# KiCad board NoU2-panelized2.kicad_pcb (continued)
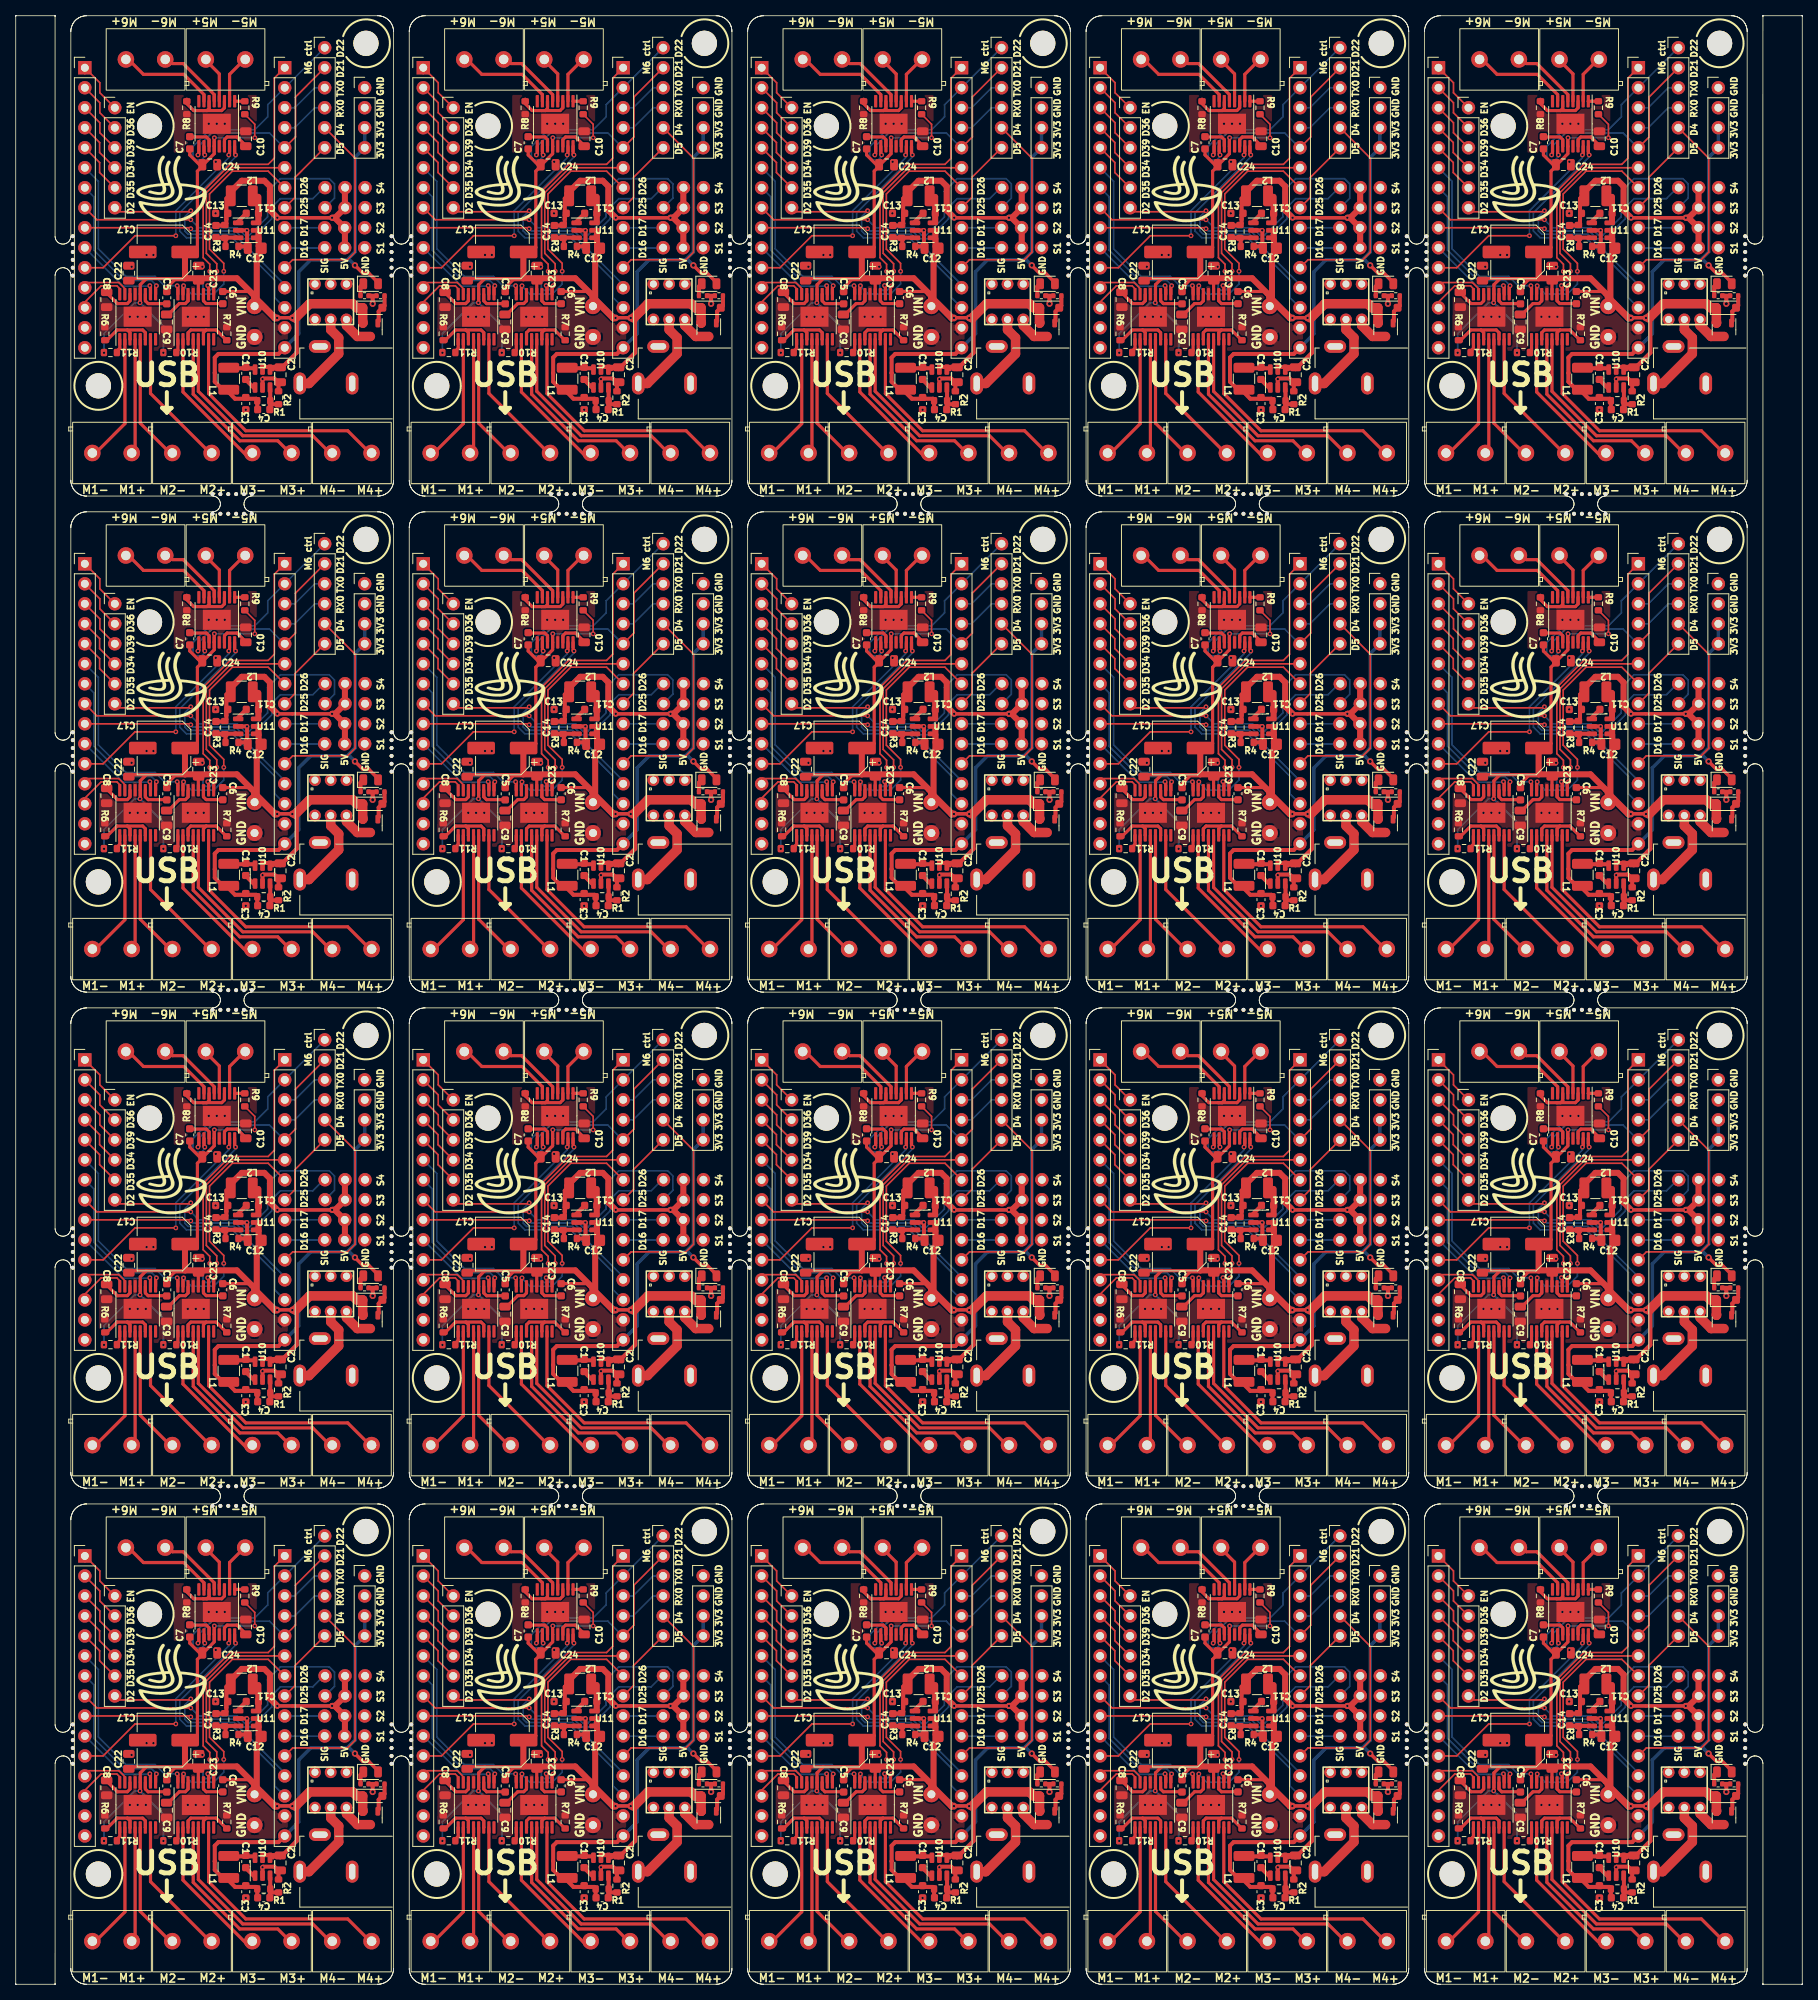
[diagram p0: board, top side]
## Routing (per net, layer and track width the routed paths; a pad name or vN(x,y) marks a point on that pad's centre or on a via; arc(x,y) is an arc through that point) (continued)
  Top w0.399: U2#7.1 199.82,113.14 R9#17.1
Board_14-Net-(U2-VCP): length 3.5
  Top w0.399: C7#15.2 194.15,108.61 196.22,108.61 196.57,108.27 U2#7.11
Board_14-Net-(U2-VINT): length 4.2
  Top w0.399: U2#7.14 198.52,108.27 198.86,108.61 200.12,108.61 201.23,107.51 C10#5.1
Board_14-Net-(U3-AISEN): length 7.8
  Top w0.399: 196.19,84.1 197.47,84.1 198.69,82.89 198.69,82.66 ; 196.19,84.1 194.24,84.1 193.9,83.75 U3#16.3 193.9,82.91 ; 196.19,84.1 195.85,83.75 U3#16.6 195.84,82.9
Board_14-Net-(U3-nSLEEP): length 1.7
  Top w0.399: U3#16.1 192.6,81.53 192.4,81.33
Board_14-Net-(U3-VCP): length 3.4
  Top w0.399: C6#19.2 198.28,87.45 196.19,87.45 195.85,87.79 U3#16.11
Board_14-Net-(U3-VINT): length 4.3
  Top w0.399: C9#17.1 191.4,86.06 192.78,87.45 193.56,87.45 193.9,87.79 U3#16.14
Board_14-Net-(U10-BS): length 1.7
  Top w0.508: 201.2,77.8 202.37,76.63 ; 201.33,77.81 201.33,77.78
Board_14-Net-(U10-FB): length 4.1
  Top w0.508: C4#7.1 204.29,75.06 ; 204.29,75.06 R1#14.2 204.34,76.59 ; 204.29,75.06 204.29,74.84 204.46,74.66 R2#8.1 ; 204.41,75.06 204.46,75.1
Board_14-Net-(U10-LX): length 3.3
  Top w0.508: 202.43,79.23 199.15,79.23
Board_14-Net-(U11-BS): length 1.7
  Top w0.508: C11#12.2 200.08,97.7 200.06,97.7
Board_14-Net-(U11-FB): length 3.7
  Top w0.508: 200.06,95.8 200.04,95.82 C14#14.1 ; R3#17.2 198.65,95.69 R4#15.1
Board_14-Net-(U11-LX): length 3.5
  Top w0.508: 202.7,100.99 202.65,101.04 ; 202.68,98.75 C11#12.1 202.7,99.04
  Top w0.762: 202.83,97.81 202.83,98.86 ; 202.83,99.06 202.83,101
Board_14-RX0: length 6.1
  Bottom w0.203: J5#19.4 207.45,109.78 209.99,112.32 J1#17.4
Board_14-SRV1: length 5.1
  Top w0.203: 206.21,94.51 J5#19.10
  Bottom w0.203: 211.28,94.51 206.21,94.51
Board_14-SRV2: length 5.1
  Bottom w0.203: J5#19.9 211.25,97.08
Board_14-SRV3: length 41.8
  Top w0.203: J2#4.8 182.3,98.09 v2(194.24,98.09)
  Bottom w0.203: v2(194.24,98.09) 195.26,97.08 200.15,97.08 201.08,96.14 201.68,96.14 204,98.46 204,101.68 205.63,103.31 211.83,103.31 212.5,102.64 212.5,100.83 211.28,99.62
Board_14-SRV4: length 34.6
  Top w0.203: J2#4.9 194.15,97.08 v2(194.24,96.95)
  Bottom w0.203: v2(194.24,96.95) 194.52,96.67 199.91,96.67 200.91,95.68 201.99,95.68 204.53,98.22 204.53,99.67 205.63,100.77 209.75,100.77 211.13,102.16 211.28,102.16
Board_14-TX0: length 6.1
  Bottom w0.203: J5#19.3 207.45,112.32 209.99,114.86 J1#17.3
Board_14-VIN: length 119.5
  Top w0.203: v2(202.37,108.51) 202.37,110.22 R9#17.2
  Top w0.25: J14#13.1 202.74,87.51 202.74,88.1
  Top w0.399: C24#20.1 195.36,105.08 194.11,106.32 C7#15.1 ; C24#20.1 195.7,104.89 195.08,104.26 195.08,94.59 194.5,94 C17#6.1 ; C24#20.1 195.82,105.08 197.22,106.48 U2#7.12 197.21,107.43 197.21,108.51 ; 192.16,90.42 191.19,89.46 C5#10.1 ; 201.01,111.4 R9#17.2 ; 193.54,90.62 188.6,90.62 187.82,89.84 187.82,87.56 187.81,87.55 ; C6#19.1 201.78,88.98 202.04,88.72 ; 195.21,90.36 195.2,90.35 U3#16.12 ; C22#18.1 186.61,90.6 ; 186.65,90.62 188.63,90.62 ; 193.49,90.47 192.32,90.47
  Top w0.432: v2(205.21,85.62) 205.25,85.65 207.11,85.65 v2(207.14,85.62)
  Top w0.508: 203.65,79.4 204.27,79.4 ; 202.86,93.72 202.86,93.95 C12#19.2 ; 202.86,95.61 202.68,95.8 ; 204.53,79.27 204.69,79.11 ; 205.6,79.11 205.77,79.28 205.79,79.28 207.7,81.2 207.7,85.46 207.54,85.62 ; 205.52,79.41 204.61,79.41
  Top w0.762: C17#6.1 193.5,93.97 193.5,90.66 ; 202.85,95.7 202.85,96.65 ; 193.57,90.66 200.1,90.66 202.34,88.41 J14#13.1 202.62,87.4 202.62,93.48 202.86,93.72 202.86,95.61
  Top w0.864: v2(205.21,85.62) 204.93,85.62 202.34,88.21 202.34,88.41 ; 207.54,85.62 v2(207.14,85.62)
  Top w1.2: 216.11,85.12 Q1#11.2 216.09,85 D3#15.1 215.32,86.92 214.81,87.42 209.34,87.42 207.54,85.62
  Bottom w0.203: 197.21,108.51 v2(202.37,108.51) ; v2(183.22,81.2) 183.22,83.64 187.13,87.55 v2(187.79,87.55)
  Bottom w0.25: v2(187.79,87.55) 190.76,84.58 v2(190.76,81.2)
  Bottom w0.432: v2(205.21,85.62) 205.25,85.65 207.11,85.65 v2(207.14,85.62)
  vias: v2(197.24,108.51)
Board_15-3V3: length 60.9
  Top w0.432: v1(43.1,29.3) 44.1,28.3 44.85,28.3 46.04,27.11 D1#17.2
  Top w0.508: 27.07,13.37 26.94,13.5 26.94,13.29 27.87,12.36 30.56,12.36 30.81,12.11 ; 30.81,11.04 30.86,10.99 ; 27.2,13.25 26.56,13.25 25.29,14.52 25.29,15.63 25.29,15.63 25.29,17.59 25.75,18.05 33.39,18.05 J5#13.15 ; R1#6.1 30.69,11.04
  Bottom w0.432: J3#17.3 J3#17.4 43.11,43.01 43.11,31.01 42.12,30.01 ; v1(43.1,29.3) 42.39,30.01 42.12,30.01 ; 42.12,30.01 37.48,30.01 35.96,28.49 35.96,20.62 J5#13.15
Board_15-5V: length 40.3
  Top w0.432: v2(40.2,35.35) v2(33.24,35.35)
  Top w0.508: C14#12.2 26.5,34.37 R3#13.1 26.76,34.63 26.76,35.14 ; 27.11,38.14 26.76,37.79 26.76,35.14 ; 26.76,35.14 26.76,35.69 26.98,35.9 26.98,36.1
  Top w0.762: 41.82,31.51 41.82,34.05 40.53,35.35 v2(40.2,35.35) 40.58,35.35 41.82,36.59 41.82,39.16 ; v2(33.24,35.35) 32.3,36.29 32.3,39.33 31.59,40.05 29.58,40.05 29.58,40.04 28.72,40.04 27.11,38.43 27.11,38.14
  Bottom w0.432: v2(33.24,35.35) v2(40.2,35.35)
Board_15-/Sheet6057E9B8/D34: length 6.7
  Top w0.203: J4#14.4 10.66,43.63 10.66,44.9 J2#8.4
Board_15-/Sheet6057E9B8/D35: length 6.7
  Top w0.203: J4#14.5 10.66,41.09 10.66,42.36 J2#8.5
Board_15-/Sheet6057E9B8/D36: length 6.7
  Top w0.203: J2#8.2 10.68,49.95 10.68,48.68 J4#14.2
Board_15-/Sheet6057E9B8/D39: length 6.7
  Top w0.203: J4#14.3 10.68,46.14 10.68,47.41 J2#8.3
Board_15-/Sheet6057E9B8/EN: length 7.3
  Top w0.203: J4#14.1 10.68,51.22 10.68,52.49 J2#8.1
  Top w0.399: 8.78,53.76 J2#8.1
Board_15-D2: length 28.7
  Top w0.203: v2(22.24,36.24) 22.11,36.11 13.1,36.11 J4#14.6
  Bottom w0.203: J5#13.12 34.18,26.84 27.77,33.25 21.9,33.25 21.48,33.67 21.48,35.47 v2(22.24,36.24)
Board_15-D4: length 27.2
  Top w0.203: J5#13.11 35.19,30.01 42.15,30.01 43.12,30.98 43.12,42.92 J1#18.5
Board_15-D5: length 9.7
  Top w0.203: J5#13.8 35.5,37.94 35.5,40.48 J1#18.6
Board_15-GND: length 11.5
  Top w0.508: 29.32,10.98 29.33,10.98 ; R4#8.2 29.31,31.71 29.4,31.8 29.4,33.72 v2(29.38,33.75) 28.06,33.75 ; R5#10.2 45.1,25.44 ; 45.1,25.44 R14#3.2 ; 45.1,25.44 45.35,25.19 v1(45.35,24.42) ; R2#14.2 33.39,14.24 33.61,14.46 33.33,14.46 32.86,14.93 31.43,14.93 v2(31.36,14.86) 31.36,13.61
  vias: v2(14.49,22.77) v2(14.72,29.12) v2(15.5,22.77) v2(16.53,22.77) v2(16.63,30.62) v2(17.49,30.62) v2(21.86,22.77) v2(22.88,22.77) v2(23.71,29.12) v2(23.89,22.77) v2(24.53,47.28) v2(25.42,42.46) v2(25.39,35.9) v2(25.54,47.28) v2(26.56,47.28) v2(29.23,10.96)
Board_15-M1A: length 6.9
  Top w0.203: 13.22,25.64 13.22,26.33 12.85,26.7 10.85,26.7 8.78,24.63 J2#8.13
Board_15-M1B: length 6.8
  Top w0.203: J2#8.12 8.78,27.12 13.1,27.12 13.87,26.34 13.87,25.64
Board_15-M2A: length 11.3
  Top w0.399: 17.03,26.66 17.12,26.57 17.12,25.64
  Bottom w0.203: J2#8.10 13.66,26.66 17.03,26.66
  vias: v2(17.03,26.72)
Board_15-M2B: length 19.4
  Top w0.399: 17.77,25.64 17.77,26.56 17.87,26.66
  Bottom w0.203: J2#8.7 9.93,38 9.93,31.22 13.78,27.37 17.26,27.37 17.87,26.76 v2(17.87,26.71) 17.87,26.66 17.87,26.72
Board_15-M3A: length 24
  Top w0.399: 20.51,26.66 20.6,26.57 U3#18.16
  Bottom w0.203: v2(20.51,26.72) 18.88,26.72 17.7,27.9 14,27.9 10.5,31.4 10.5,39.97 J2#8.6
Board_15-M3B: length 30.9
  Top w0.203: J5#13.7 32.07,41.26 27.52,41.26 24.62,38.36 24.62,31.36 26.43,29.55 v2(26.43,28.54) ; 21.25,26.58 21.33,26.66
  Top w0.399: U3#18.15 21.25,26.58
  Bottom w0.203: v2(26.43,28.54) 26.43,26.93 25.15,25.65 22.34,25.65 21.33,26.66
  vias: v2(21.33,26.71)
Board_15-M4A: length 25.2
  Top w0.203: J5#13.6 27.39,41.7 24.22,38.53 24.22,30.83 25.54,29.5 v2(25.54,28.54)
  Top w0.399: 24.4,26.66 24.5,26.56 U3#18.10
  Bottom w0.203: v2(25.54,28.54) 25.54,27.82 24.4,26.67 24.4,26.66
  vias: v2(24.4,26.74)
Board_15-M4B: length 38.7
  Top w0.203: v2(24.65,28.54) 24.65,29.44 23.82,30.28 23.82,38.7 27.24,42.13 32.07,42.13 32.86,42.92 32.86,53.08 J5#13.1
  Top w0.399: U3#18.9 25.15,26.55 25.26,26.66
  Bottom w0.203: v2(25.29,26.71) 24.71,26.13 24.11,26.13 23.79,26.44 23.79,27.12 24.65,27.98 v2(24.65,28.54)
Board_15-M5A: length 32.5
  Top w0.399: 27.93,43.37 v2(27.93,43.32) 27.82,43.43 U2#6.16
  Bottom w0.203: v2(27.93,43.32) 27.93,43.07 20.84,35.98 20.84,33.65 21.69,32.81 27.51,32.81 32.91,27.41 32.91,25.19 34.18,23.92 J5#13.13
Board_15-M5B: length 27.4
  Top w0.203: J2#8.11 11.1,29 15.16,33.06 v2(20.34,33.06)
  Top w0.399: 27.07,43.37 27.17,43.47 U2#6.15
  Bottom w0.203: 27.07,43.37 27.07,42.97 20.34,36.24 v2(20.34,33.06)
  vias: v2(27.07,43.32)
Board_15-M6A: length 27.3
  Top w0.203: 39.26,56.94 J1#18.1
  Top w0.399: 24.02,43.37 23.92,43.47 U2#6.10
  Bottom w0.203: v2(24.02,43.32) 24.02,43.12 23.59,42.69 22.85,42.69 22.53,43.02 22.53,44.39 24.65,46.52 30.37,46.52 32.02,48.17 32.02,49.7 J5#13.2 39.26,56.94
Board_15-M6B: length 26.9
  Top w0.203: J5#13.5 35.55,45.61 35.55,50.69 J1#18.2
  Top w0.399: U2#6.9 23.27,43.49 23.16,43.37
  Bottom w0.203: 23.16,43.37 23.27,43.49 23.27,44.46 24.92,46.11 32.24,46.11 34.11,44.24 J5#13.5
  vias: v2(23.16,43.32)
Board_15-Net-(D1-K): length 1.7
  Top w0.508: R14#3.1 43.81,26.61 D1#17.1
Board_15-Net-(D3-A): length 3.7
  Top w0.508: 46.01,22.12 46.12,22.23 46.12,23.45 D3#12.2 46.86,24.19 R5#10.1
Board_15-Net-(J10-Pad1): length 11.3
  Top w1.2: 36.08,14.3 37.26,14.3 41.04,18.07 41.04,20.11 40.02,21.12 U4#20.5
Board_15-Net-(J11-Pin_1): length 14.9
  Top w0.399: 15.17,19.91 15.17,5.42 14.88,5.12
Board_15-Net-(J11-Pin_2): length 16.5
  Top w0.399: 13.87,19.91 13.87,9.2 9.79,5.12
Board_15-Net-(J15-Pin_1): length 18.1
  Top w0.399: 17.12,19.91 17.12,13.03 25.03,5.12
Board_15-Net-(J15-Pin_2): length 16.5
  Top w0.399: 19.95,5.12 15.82,9.25 15.82,19.91
Board_15-Net-(J16-Pin_1): length 22.9
  Top w0.399: U3#18.4 22.55,12.94 28.47,7.02 33.3,7.02 35.2,5.12
Board_15-Net-(J16-Pin_2): length 18.9
  Top w0.399: U3#18.2 21.25,13.22 29.35,5.12 30.12,5.12
Board_15-Net-(J17-Pin_1): length 31
  Top w0.399: 45.35,5.12 42.18,8.3 29.23,8.3 24.5,13.02 U3#18.7
Board_15-Net-(J17-Pin_2): length 27.1
  Top w0.399: U3#18.5 23.2,13.3 28.84,7.66 37.73,7.66 40.27,5.12
Board_15-Net-(J18-Pin_1): length 6.4
  Top w0.399: 24.15,55.79 24.15,55.34 25.87,53.61 U2#6.4
Board_15-Net-(J18-Pin_2): length 6.5
  Top w0.399: 29.23,55.79 29.23,55.62 27.17,53.56 U2#6.2
Board_15-Net-(J19-Pin_1): length 12.8
  Top w0.399: 13.99,55.79 16.22,53.56 21.35,53.56 23.92,50.99 U2#6.7
Board_15-Net-(J19-Pin_2): length 9
  Top w0.399: U2#6.5 25.22,50.99 21.28,54.93 19.93,54.93 19.07,55.79
Board_15-Net-(Q1-D): length 4.4
  Top w1.2: Q1#20.3 43.41,20.27 42.02,21.66 U4#20.6
Board_15-Net-(U1-AISEN): length 7.8
  Top w0.399: 11.7,19.66 11.7,19.91 12.89,21.1 14.18,21.1 ; 14.52,19.91 14.52,19.91 14.52,20.75 14.18,21.1 ; 14.18,21.1 16.13,21.1 16.47,20.75 16.47,19.91 16.47,19.91
Board_15-Net-(U1-nSLEEP): length 1.8
  Top w0.399: 12.78,18.33 13.22,18.77 13.22,19.91
Board_15-Net-(U1-VCP): length 3.7
  Top w0.399: 16.47,25.64 16.47,24.79 16.82,24.44 19.16,24.44 C5#3.2
Board_15-Net-(U1-VINT): length 4.6
  Top w0.399: C8#5.1 11.55,25.81 12.91,24.45 14.18,24.45 14.52,24.79 14.52,25.64
Board_15-Net-(U2-AISEN): length 8.5
  Top w0.399: U2#6.3 26.52,49.3 26.17,48.96 23.79,48.96 ; 23.79,48.96 24.3,48.96 24.57,49.23 U2#6.6 ; 23.79,48.96 22.61,48.96 21.73,49.84 21.73,50.4
Board_15-Net-(U2-nSLEEP): length 1.3
  Top w0.399: U2#6.1 27.82,50.14 R9#19.1
Board_15-Net-(U2-VCP): length 3.5
  Top w0.399: C7#13.2 22.15,45.61 24.22,45.61 24.57,45.27 U2#6.11
Board_15-Net-(U2-VINT): length 4.2
  Top w0.399: U2#6.14 26.52,45.27 26.86,45.61 28.12,45.61 29.23,44.51 C10#14.1
Board_15-Net-(U3-AISEN): length 7.8
  Top w0.399: 24.19,21.1 25.47,21.1 26.69,19.89 26.69,19.66 ; 24.19,21.1 22.24,21.1 21.9,20.75 U3#18.3 21.9,19.91 ; 24.19,21.1 23.85,20.75 U3#18.6 23.84,19.9
Board_15-Net-(U3-nSLEEP): length 1.7
  Top w0.399: U3#18.1 20.6,18.53 20.4,18.33
Board_15-Net-(U3-VCP): length 3.4
  Top w0.399: C6#3.2 26.28,24.45 24.19,24.45 23.85,24.79 U3#18.11
Board_15-Net-(U3-VINT): length 4.3
  Top w0.399: C9.1 19.4,23.06 20.78,24.45 21.56,24.45 21.9,24.79 U3#18.14
Board_15-Net-(U10-BS): length 1.7
  Top w0.508: 29.2,14.8 30.37,13.63 ; 29.33,14.81 29.33,14.78
Board_15-Net-(U10-FB): length 4.1
  Top w0.508: C4#6.1 32.29,12.06 ; 32.29,12.06 R1#6.2 32.34,13.59 ; 32.29,12.06 32.29,11.84 32.46,11.66 R2#14.1 ; 32.41,12.06 32.46,12.11
Board_15-Net-(U10-LX): length 3.3
  Top w0.508: 30.43,16.23 27.15,16.23
Board_15-Net-(U11-BS): length 1.7
  Top w0.508: C11#6.2 28.08,34.7 28.06,34.7
Board_15-Net-(U11-FB): length 3.7
  Top w0.508: 28.06,32.8 28.04,32.82 C14#12.1 ; R3#13.2 26.65,32.69 R4#8.1
Board_15-Net-(U11-LX): length 3.5
  Top w0.508: 30.7,37.99 30.65,38.04 ; 30.68,35.75 C11#6.1 30.7,36.04
  Top w0.762: 30.83,34.81 30.83,35.86 ; 30.83,36.06 30.83,38
Board_15-RX0: length 6.1
  Bottom w0.203: J5#13.4 35.45,46.78 37.99,49.32 J1#18.4
Board_15-SRV1: length 5.1
  Top w0.203: 34.21,31.51 J5#13.10
  Bottom w0.203: 39.28,31.51 34.21,31.51
Board_15-SRV2: length 5.1
  Bottom w0.203: J5#13.9 39.26,34.08
Board_15-SRV3: length 41.8
  Top w0.203: J2#8.8 10.3,35.09 v2(22.24,35.09)
  Bottom w0.203: v2(22.24,35.09) 23.26,34.08 28.15,34.08 29.08,33.14 29.68,33.14 32,35.46 32,38.68 33.63,40.31 39.83,40.31 40.5,39.64 40.5,37.83 39.28,36.62
Board_15-SRV4: length 34.6
  Top w0.203: J2#8.9 22.15,34.08 v2(22.24,33.95)
  Bottom w0.203: v2(22.24,33.95) 22.52,33.67 27.91,33.67 28.91,32.68 29.99,32.68 32.53,35.22 32.53,36.67 33.63,37.77 37.75,37.77 39.13,39.16 39.28,39.16
Board_15-TX0: length 6.1
  Bottom w0.203: J5#13.3 35.45,49.32 37.99,51.86 J1#18.3
Board_15-VIN: length 119.5
  Top w0.203: v2(30.37,45.51) 30.37,47.22 R9#19.2
  Top w0.25: J14#6.1 30.74,24.51 30.74,25.1
  Top w0.399: 23.7,42.08 23.36,42.08 22.11,43.32 C7#13.1 ; 23.7,42.08 23.7,41.89 23.08,41.26 23.08,31.59 22.49,31 C17#18.1 ; 23.7,42.08 23.82,42.08 25.22,43.48 U2#6.12 25.21,44.43 25.21,45.51 ; 20.16,27.42 19.19,26.46 C5#3.1 ; 29.01,48.4 R9#19.2 ; 21.54,27.62 16.6,27.62 15.82,26.84 15.82,24.56 15.81,24.55 ; C6#3.1 29.78,25.98 30.04,25.72 ; 23.21,27.36 23.2,27.35 U3#18.12 ; C22#5.1 14.61,27.6 ; 14.65,27.62 16.63,27.62 ; 21.49,27.47 20.32,27.47
  Top w0.432: v2(33.21,22.62) 33.25,22.65 35.11,22.65 v2(35.14,22.62)
  Top w0.508: 31.65,16.4 32.27,16.4 ; 30.86,30.72 30.86,30.95 C12#7.2 ; 30.86,32.61 30.68,32.8 ; 32.53,16.27 32.69,16.11 ; 33.6,16.11 33.77,16.28 33.79,16.28 35.7,18.2 35.7,22.46 35.54,22.62 ; 33.52,16.41 32.61,16.41
  Top w0.762: C17#18.1 21.5,30.97 21.5,27.66 ; 30.85,32.7 30.85,33.65 ; 21.57,27.66 28.1,27.66 30.34,25.41 J14#6.1 30.62,24.4 30.62,30.48 30.86,30.72 30.86,32.61
  Top w0.864: v2(33.21,22.62) 32.93,22.62 30.34,25.21 30.34,25.41 ; 35.54,22.62 v2(35.14,22.62)
  Top w1.2: 44.11,22.12 Q1#20.2 44.09,22 D3#12.1 43.32,23.92 42.81,24.42 37.34,24.42 35.54,22.62
  Bottom w0.203: 25.21,45.51 v2(30.37,45.51) ; v2(11.22,18.2) 11.22,20.64 15.13,24.55 v2(15.79,24.55)
  Bottom w0.25: v2(15.79,24.55) 18.76,21.58 v2(18.76,18.2)
  Bottom w0.432: v2(33.21,22.62) 33.25,22.65 35.11,22.65 v2(35.14,22.62)
  vias: v2(25.24,45.51)
Board_16-3V3: length 60.9
  Top w0.432: v1(86.1,29.3) 87.1,28.3 87.85,28.3 89.04,27.11 D1#2.2
  Top w0.508: 70.07,13.37 69.94,13.5 69.94,13.29 70.87,12.36 73.56,12.36 73.81,12.11 ; 73.81,11.04 73.86,10.99 ; 70.2,13.25 69.56,13.25 68.29,14.52 68.29,15.63 68.29,15.63 68.29,17.59 68.75,18.05 76.39,18.05 J5#18.15 ; R1#15.1 73.69,11.04
  Bottom w0.432: J3#19.3 J3#19.4 86.11,43.01 86.11,31.01 85.12,30.01 ; v1(86.1,29.3) 85.39,30.01 85.12,30.01 ; 85.12,30.01 80.48,30.01 78.96,28.49 78.96,20.62 J5#18.15
Board_16-5V: length 40.3
  Top w0.432: v2(83.2,35.35) v2(76.24,35.35)
  Top w0.508: C14#20.2 69.5,34.37 R3#4.1 69.76,34.63 69.76,35.14 ; 70.11,38.14 69.76,37.79 69.76,35.14 ; 69.76,35.14 69.76,35.69 69.98,35.9 69.98,36.1
  Top w0.762: 84.82,31.51 84.82,34.05 83.53,35.35 v2(83.2,35.35) 83.58,35.35 84.82,36.59 84.82,39.16 ; v2(76.24,35.35) 75.3,36.29 75.3,39.33 74.59,40.05 72.58,40.05 72.58,40.04 71.72,40.04 70.11,38.43 70.11,38.14
  Bottom w0.432: v2(76.24,35.35) v2(83.2,35.35)
Board_16-/Sheet6057E9B8/D34: length 6.7
  Top w0.203: J4#15.4 53.66,43.63 53.66,44.9 J2#17.4
Board_16-/Sheet6057E9B8/D35: length 6.7
  Top w0.203: J4#15.5 53.66,41.09 53.66,42.36 J2#17.5
Board_16-/Sheet6057E9B8/D36: length 6.7
  Top w0.203: J2#17.2 53.68,49.95 53.68,48.68 J4#15.2
Board_16-/Sheet6057E9B8/D39: length 6.7
  Top w0.203: J4#15.3 53.68,46.14 53.68,47.41 J2#17.3
Board_16-/Sheet6057E9B8/EN: length 7.3
  Top w0.203: J4#15.1 53.68,51.22 53.68,52.49 J2#17.1
  Top w0.399: 51.78,53.76 J2#17.1
Board_16-D2: length 28.7
  Top w0.203: v2(65.24,36.24) 65.11,36.11 56.1,36.11 J4#15.6
  Bottom w0.203: J5#18.12 77.18,26.84 70.77,33.25 64.9,33.25 64.48,33.67 64.48,35.47 v2(65.24,36.24)
Board_16-D4: length 27.2
  Top w0.203: J5#18.11 78.19,30.01 85.15,30.01 86.12,30.98 86.12,42.92 J1#10.5
Board_16-D5: length 9.7
  Top w0.203: J5#18.8 78.5,37.94 78.5,40.48 J1#10.6
Board_16-GND: length 11.5
  Top w0.508: 72.32,10.98 72.33,10.98 ; R4#5.2 72.31,31.71 72.4,31.8 72.4,33.72 v2(72.38,33.75) 71.06,33.75 ; R5#4.2 88.1,25.44 ; 88.1,25.44 R14#17.2 ; 88.1,25.44 88.35,25.19 v1(88.35,24.42) ; R2#16.2 76.39,14.24 76.61,14.46 76.33,14.46 75.86,14.93 74.43,14.93 v2(74.36,14.86) 74.36,13.61
  vias: v2(57.49,22.77) v2(57.72,29.12) v2(58.5,22.77) v2(59.53,22.77) v2(59.63,30.62) v2(60.49,30.62) v2(64.86,22.77) v2(65.88,22.77) v2(66.71,29.12) v2(66.89,22.77) v2(67.53,47.28) v2(68.42,42.46) v2(68.39,35.9) v2(68.54,47.28) v2(69.56,47.28) v2(72.23,10.96)
Board_16-M1A: length 6.9
  Top w0.203: 56.22,25.64 56.22,26.33 55.85,26.7 53.85,26.7 51.78,24.63 J2#17.13
Board_16-M1B: length 6.8
  Top w0.203: J2#17.12 51.78,27.12 56.1,27.12 56.87,26.34 56.87,25.64
Board_16-M2A: length 11.3
  Top w0.399: 60.03,26.66 60.12,26.57 60.12,25.64
  Bottom w0.203: J2#17.10 56.66,26.66 60.03,26.66
  vias: v2(60.03,26.72)
Board_16-M2B: length 19.4
  Top w0.399: 60.77,25.64 60.77,26.56 60.87,26.66
  Bottom w0.203: J2#17.7 52.93,38 52.93,31.22 56.78,27.37 60.26,27.37 60.87,26.76 v2(60.87,26.71) 60.87,26.66 60.87,26.72
Board_16-M3A: length 24
  Top w0.399: 63.51,26.66 63.6,26.57 U3#20.16
  Bottom w0.203: v2(63.51,26.72) 61.88,26.72 60.7,27.9 57,27.9 53.5,31.4 53.5,39.97 J2#17.6
Board_16-M3B: length 30.9
  Top w0.203: J5#18.7 75.07,41.26 70.52,41.26 67.62,38.36 67.62,31.36 69.43,29.55 v2(69.43,28.54) ; 64.25,26.58 64.33,26.66
  Top w0.399: U3#20.15 64.25,26.58
  Bottom w0.203: v2(69.43,28.54) 69.43,26.93 68.15,25.65 65.34,25.65 64.33,26.66
  vias: v2(64.33,26.71)
Board_16-M4A: length 25.2
  Top w0.203: J5#18.6 70.39,41.7 67.22,38.53 67.22,30.83 68.54,29.5 v2(68.54,28.54)
  Top w0.399: 67.4,26.66 67.5,26.56 U3#20.10
  Bottom w0.203: v2(68.54,28.54) 68.54,27.82 67.4,26.67 67.4,26.66
  vias: v2(67.4,26.74)
Board_16-M4B: length 38.7
  Top w0.203: v2(67.65,28.54) 67.65,29.44 66.82,30.28 66.82,38.7 70.24,42.13 75.07,42.13 75.86,42.92 75.86,53.08 J5#18.1
  Top w0.399: U3#20.9 68.15,26.55 68.26,26.66
  Bottom w0.203: v2(68.29,26.71) 67.71,26.13 67.11,26.13 66.79,26.44 66.79,27.12 67.65,27.98 v2(67.65,28.54)
Board_16-M5A: length 32.5
  Top w0.399: 70.93,43.37 v2(70.93,43.32) 70.82,43.43 U2#13.16
  Bottom w0.203: v2(70.93,43.32) 70.93,43.07 63.84,35.98 63.84,33.65 64.69,32.81 70.51,32.81 75.91,27.41 75.91,25.19 77.18,23.92 J5#18.13
Board_16-M5B: length 27.4
  Top w0.203: J2#17.11 54.1,29 58.16,33.06 v2(63.34,33.06)
  Top w0.399: 70.07,43.37 70.17,43.47 U2#13.15
  Bottom w0.203: 70.07,43.37 70.07,42.97 63.34,36.24 v2(63.34,33.06)
  vias: v2(70.07,43.32)
Board_16-M6A: length 27.3
  Top w0.203: 82.25,56.94 J1#10.1
  Top w0.399: 67.02,43.37 66.92,43.47 U2#13.10
  Bottom w0.203: v2(67.02,43.32) 67.02,43.12 66.59,42.69 65.85,42.69 65.53,43.02 65.53,44.39 67.65,46.52 73.37,46.52 75.02,48.17 75.02,49.7 J5#18.2 82.25,56.94
Board_16-M6B: length 26.9
  Top w0.203: J5#18.5 78.55,45.61 78.55,50.69 J1#10.2
  Top w0.399: U2#13.9 66.27,43.49 66.16,43.37
  Bottom w0.203: 66.16,43.37 66.27,43.49 66.27,44.46 67.92,46.11 75.24,46.11 77.11,44.24 J5#18.5
  vias: v2(66.16,43.32)
Board_16-Net-(D1-K): length 1.7
  Top w0.508: R14#17.1 86.81,26.61 D1#2.1
Board_16-Net-(D3-A): length 3.7
  Top w0.508: 89.01,22.12 89.12,22.23 89.12,23.45 D3#18.2 89.86,24.19 R5#4.1
Board_16-Net-(J10-Pad1): length 11.3
  Top w1.2: 79.08,14.3 80.26,14.3 84.04,18.07 84.04,20.11 83.02,21.12 U4#8.5
Board_16-Net-(J11-Pin_1): length 14.9
  Top w0.399: 58.17,19.91 58.17,5.42 57.87,5.12
Board_16-Net-(J11-Pin_2): length 16.5
  Top w0.399: 56.87,19.91 56.87,9.2 52.79,5.12
Board_16-Net-(J15-Pin_1): length 18.1
  Top w0.399: 60.12,19.91 60.12,13.03 68.03,5.12
Board_16-Net-(J15-Pin_2): length 16.5
  Top w0.399: 62.95,5.12 58.82,9.25 58.82,19.91
Board_16-Net-(J16-Pin_1): length 22.9
  Top w0.399: U3#20.4 65.55,12.94 71.47,7.02 76.3,7.02 78.19,5.12
Board_16-Net-(J16-Pin_2): length 18.9
  Top w0.399: U3#20.2 64.25,13.22 72.35,5.12 73.12,5.12
Board_16-Net-(J17-Pin_1): length 31
  Top w0.399: 88.35,5.12 85.18,8.3 72.23,8.3 67.5,13.02 U3#20.7
Board_16-Net-(J17-Pin_2): length 27.1
  Top w0.399: U3#20.5 66.2,13.3 71.84,7.66 80.73,7.66 83.28,5.12
Board_16-Net-(J18-Pin_1): length 6.4
  Top w0.399: 67.15,55.79 67.15,55.34 68.87,53.61 U2#13.4
Board_16-Net-(J18-Pin_2): length 6.5
  Top w0.399: 72.23,55.79 72.23,55.62 70.17,53.56 U2#13.2
Board_16-Net-(J19-Pin_1): length 12.8
  Top w0.399: 56.99,55.79 59.22,53.56 64.35,53.56 66.92,50.99 U2#13.7
Board_16-Net-(J19-Pin_2): length 9
  Top w0.399: U2#13.5 68.22,50.99 64.28,54.93 62.93,54.93 62.07,55.79
Board_16-Net-(Q1-D): length 4.4
  Top w1.2: Q1#12.3 86.41,20.27 85.02,21.66 U4#8.6
Board_16-Net-(U1-AISEN): length 7.8
  Top w0.399: 54.7,19.66 54.7,19.91 55.89,21.1 57.18,21.1 ; 57.52,19.91 57.52,19.91 57.52,20.75 57.18,21.1 ; 57.18,21.1 59.13,21.1 59.47,20.75 59.47,19.91 59.47,19.91
Board_16-Net-(U1-nSLEEP): length 1.8
  Top w0.399: 55.78,18.33 56.22,18.77 56.22,19.91
Board_16-Net-(U1-VCP): length 3.7
  Top w0.399: 59.47,25.64 59.47,24.79 59.82,24.44 62.16,24.44 C5#14.2
Board_16-Net-(U1-VINT): length 4.6
  Top w0.399: C8#14.1 54.55,25.81 55.91,24.45 57.18,24.45 57.52,24.79 57.52,25.64
Board_16-Net-(U2-AISEN): length 8.5
  Top w0.399: U2#13.3 69.52,49.3 69.17,48.96 66.79,48.96 ; 66.79,48.96 67.3,48.96 67.57,49.23 U2#13.6 ; 66.79,48.96 65.61,48.96 64.73,49.84 64.73,50.4
Board_16-Net-(U2-nSLEEP): length 1.3
  Top w0.399: U2#13.1 70.82,50.14 R9#13.1
Board_16-Net-(U2-VCP): length 3.5
  Top w0.399: C7#14.2 65.15,45.61 67.22,45.61 67.57,45.27 U2#13.11
Board_16-Net-(U2-VINT): length 4.2
  Top w0.399: U2#13.14 69.52,45.27 69.86,45.61 71.12,45.61 72.23,44.51 C10#10.1
Board_16-Net-(U3-AISEN): length 7.8
  Top w0.399: 67.19,21.1 68.47,21.1 69.69,19.89 69.69,19.66 ; 67.19,21.1 65.24,21.1 64.9,20.75 U3#20.3 64.9,19.91 ; 67.19,21.1 66.85,20.75 U3#20.6 66.84,19.9
Board_16-Net-(U3-nSLEEP): length 1.7
  Top w0.399: U3#20.1 63.6,18.53 63.4,18.33
Board_16-Net-(U3-VCP): length 3.4
  Top w0.399: C6#7.2 69.28,24.45 67.19,24.45 66.85,24.79 U3#20.11
Board_16-Net-(U3-VINT): length 4.3
  Top w0.399: C9#18.1 62.4,23.06 63.78,24.45 64.56,24.45 64.9,24.79 U3#20.14
Board_16-Net-(U10-BS): length 1.7
  Top w0.508: 72.2,14.8 73.37,13.63 ; 72.33,14.81 72.33,14.78
Board_16-Net-(U10-FB): length 4.1
  Top w0.508: C4#15.1 75.29,12.06 ; 75.29,12.06 R1#15.2 75.34,13.59 ; 75.29,12.06 75.29,11.84 75.46,11.66 R2#16.1 ; 75.41,12.06 75.46,12.11
Board_16-Net-(U10-LX): length 3.3
  Top w0.508: 73.43,16.23 70.15,16.23
Board_16-Net-(U11-BS): length 1.7
  Top w0.508: C11#15.2 71.08,34.7 71.06,34.7
Board_16-Net-(U11-FB): length 3.7
  Top w0.508: 71.06,32.8 71.04,32.82 C14#20.1 ; R3#4.2 69.65,32.69 R4#5.1
Board_16-Net-(U11-LX): length 3.5
  Top w0.508: 73.7,37.99 73.65,38.04 ; 73.68,35.75 C11#15.1 73.7,36.04
  Top w0.762: 73.83,34.81 73.83,35.86 ; 73.83,36.06 73.83,38
Board_16-RX0: length 6.1
  Bottom w0.203: J5#18.4 78.45,46.78 80.99,49.32 J1#10.4
Board_16-SRV1: length 5.1
  Top w0.203: 77.21,31.51 J5#18.10
  Bottom w0.203: 82.28,31.51 77.21,31.51
Board_16-SRV2: length 5.1
  Bottom w0.203: J5#18.9 82.25,34.08
Board_16-SRV3: length 41.8
  Top w0.203: J2#17.8 53.3,35.09 v2(65.24,35.09)
  Bottom w0.203: v2(65.24,35.09) 66.26,34.08 71.15,34.08 72.08,33.14 72.68,33.14 75,35.46 75,38.68 76.63,40.31 82.83,40.31 83.5,39.64 83.5,37.83 82.28,36.62
Board_16-SRV4: length 34.6
  Top w0.203: J2#17.9 65.15,34.08 v2(65.24,33.95)
  Bottom w0.203: v2(65.24,33.95) 65.52,33.67 70.91,33.67 71.91,32.68 72.99,32.68 75.53,35.22 75.53,36.67 76.63,37.77 80.75,37.77 82.13,39.16 82.28,39.16
Board_16-TX0: length 6.1
  Bottom w0.203: J5#18.3 78.45,49.32 80.99,51.86 J1#10.3
Board_16-VIN: length 119.5
  Top w0.203: v2(73.37,45.51) 73.37,47.22 R9#13.2
  Top w0.25: J14#18.1 73.74,24.51 73.74,25.1
  Top w0.399: C24#9.1 66.36,42.08 65.11,43.32 C7#14.1 ; C24#9.1 66.7,41.89 66.08,41.26 66.08,31.59 65.5,31 C17#7.1 ; C24#9.1 66.82,42.08 68.22,43.48 U2#13.12 68.21,44.43 68.21,45.51 ; 63.16,27.42 62.19,26.46 C5#14.1 ; 72.01,48.4 R9#13.2 ; 64.54,27.62 59.6,27.62 58.82,26.84 58.82,24.56 58.81,24.55 ; C6#7.1 72.78,25.98 73.04,25.72 ; 66.21,27.36 66.2,27.35 U3#20.12 ; C22#7.1 57.61,27.6 ; 57.65,27.62 59.63,27.62 ; 64.49,27.47 63.32,27.47
  Top w0.432: v2(76.21,22.62) 76.25,22.65 78.11,22.65 v2(78.14,22.62)
  Top w0.508: 74.65,16.4 75.27,16.4 ; 73.86,30.72 73.86,30.95 C12#12.2 ; 73.86,32.61 73.68,32.8 ; 75.53,16.27 75.69,16.11 ; 76.6,16.11 76.77,16.28 76.79,16.28 78.7,18.2 78.7,22.46 78.54,22.62 ; 76.52,16.41 75.61,16.41
  Top w0.762: C17#7.1 64.5,30.97 64.5,27.66 ; 73.85,32.7 73.85,33.65 ; 64.57,27.66 71.1,27.66 73.34,25.41 J14#18.1 73.62,24.4 73.62,30.48 73.86,30.72 73.86,32.61
  Top w0.864: v2(76.21,22.62) 75.93,22.62 73.34,25.21 73.34,25.41 ; 78.54,22.62 v2(78.14,22.62)
  Top w1.2: 87.11,22.12 Q1#12.2 87.09,22 D3#18.1 86.32,23.92 85.81,24.42 80.34,24.42 78.54,22.62
  Bottom w0.203: 68.21,45.51 v2(73.37,45.51) ; v2(54.22,18.2) 54.22,20.64 58.13,24.55 v2(58.79,24.55)
  Bottom w0.25: v2(58.79,24.55) 61.76,21.58 v2(61.76,18.2)
  Bottom w0.432: v2(76.21,22.62) 76.25,22.65 78.11,22.65 v2(78.14,22.62)
  vias: v2(68.24,45.51)
